# Altium PCB IPG.PcbDoc (part 1 of 10) (continued)
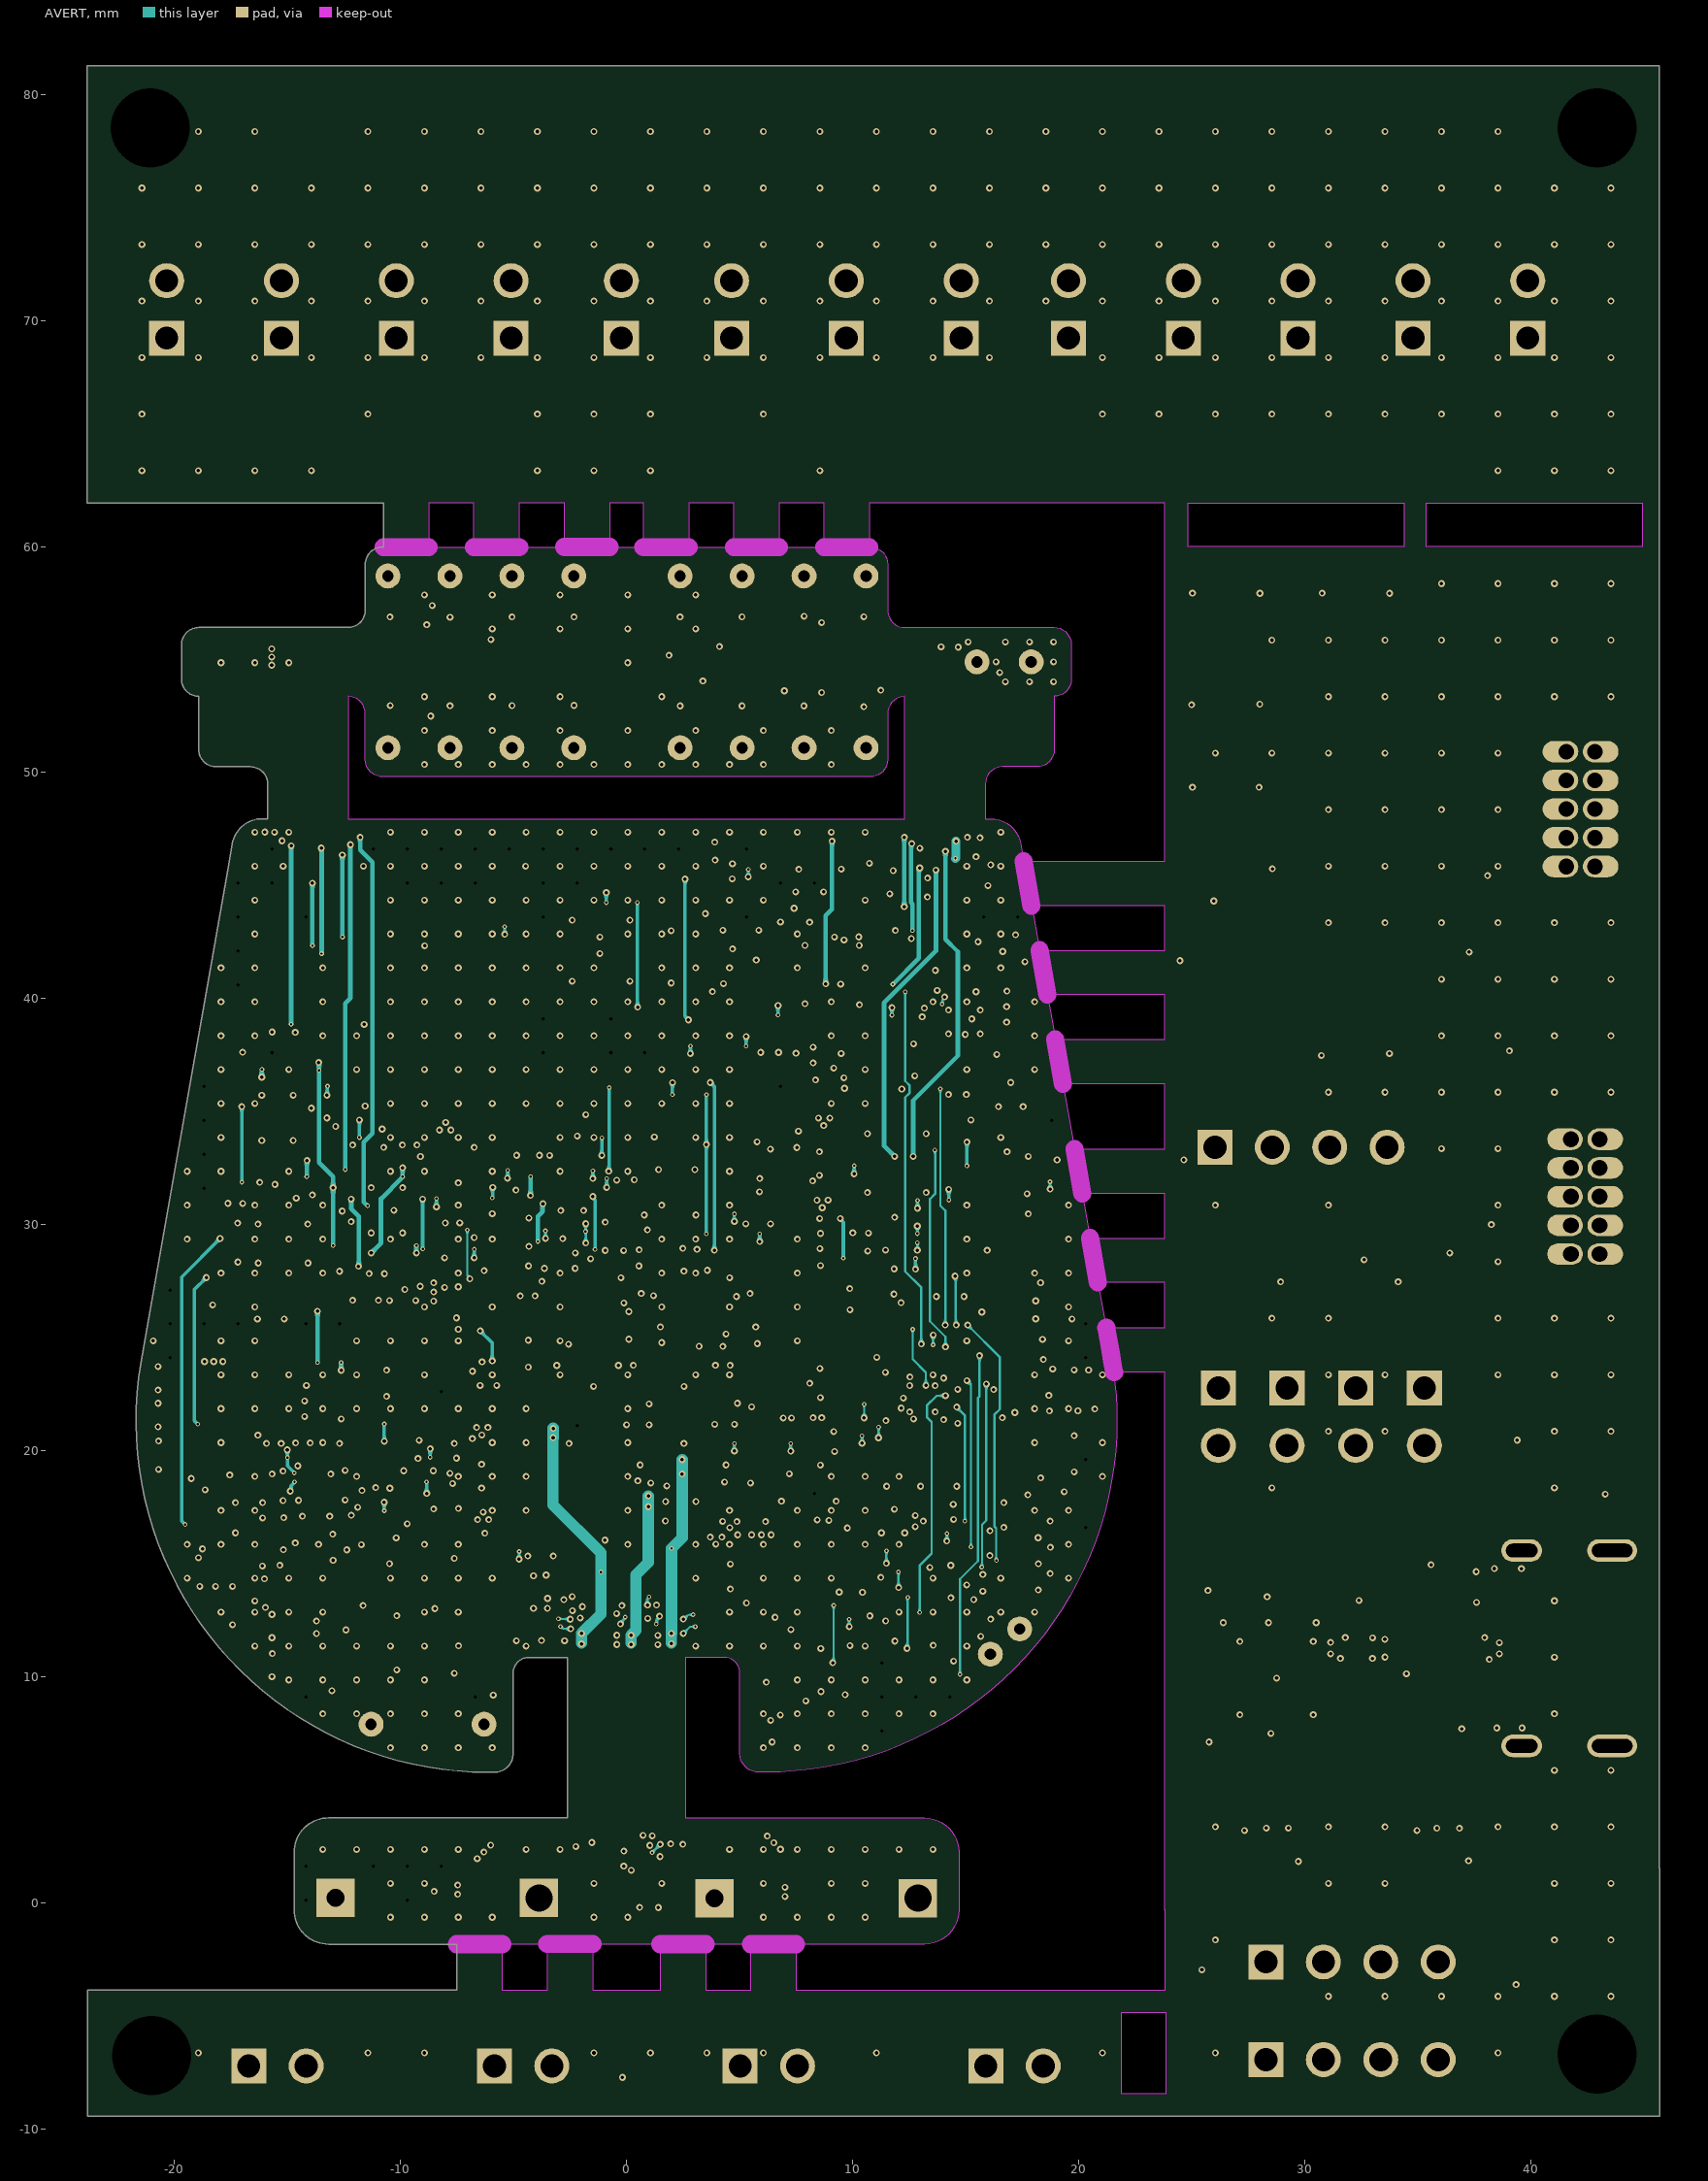
[diagram p8: AVERT]
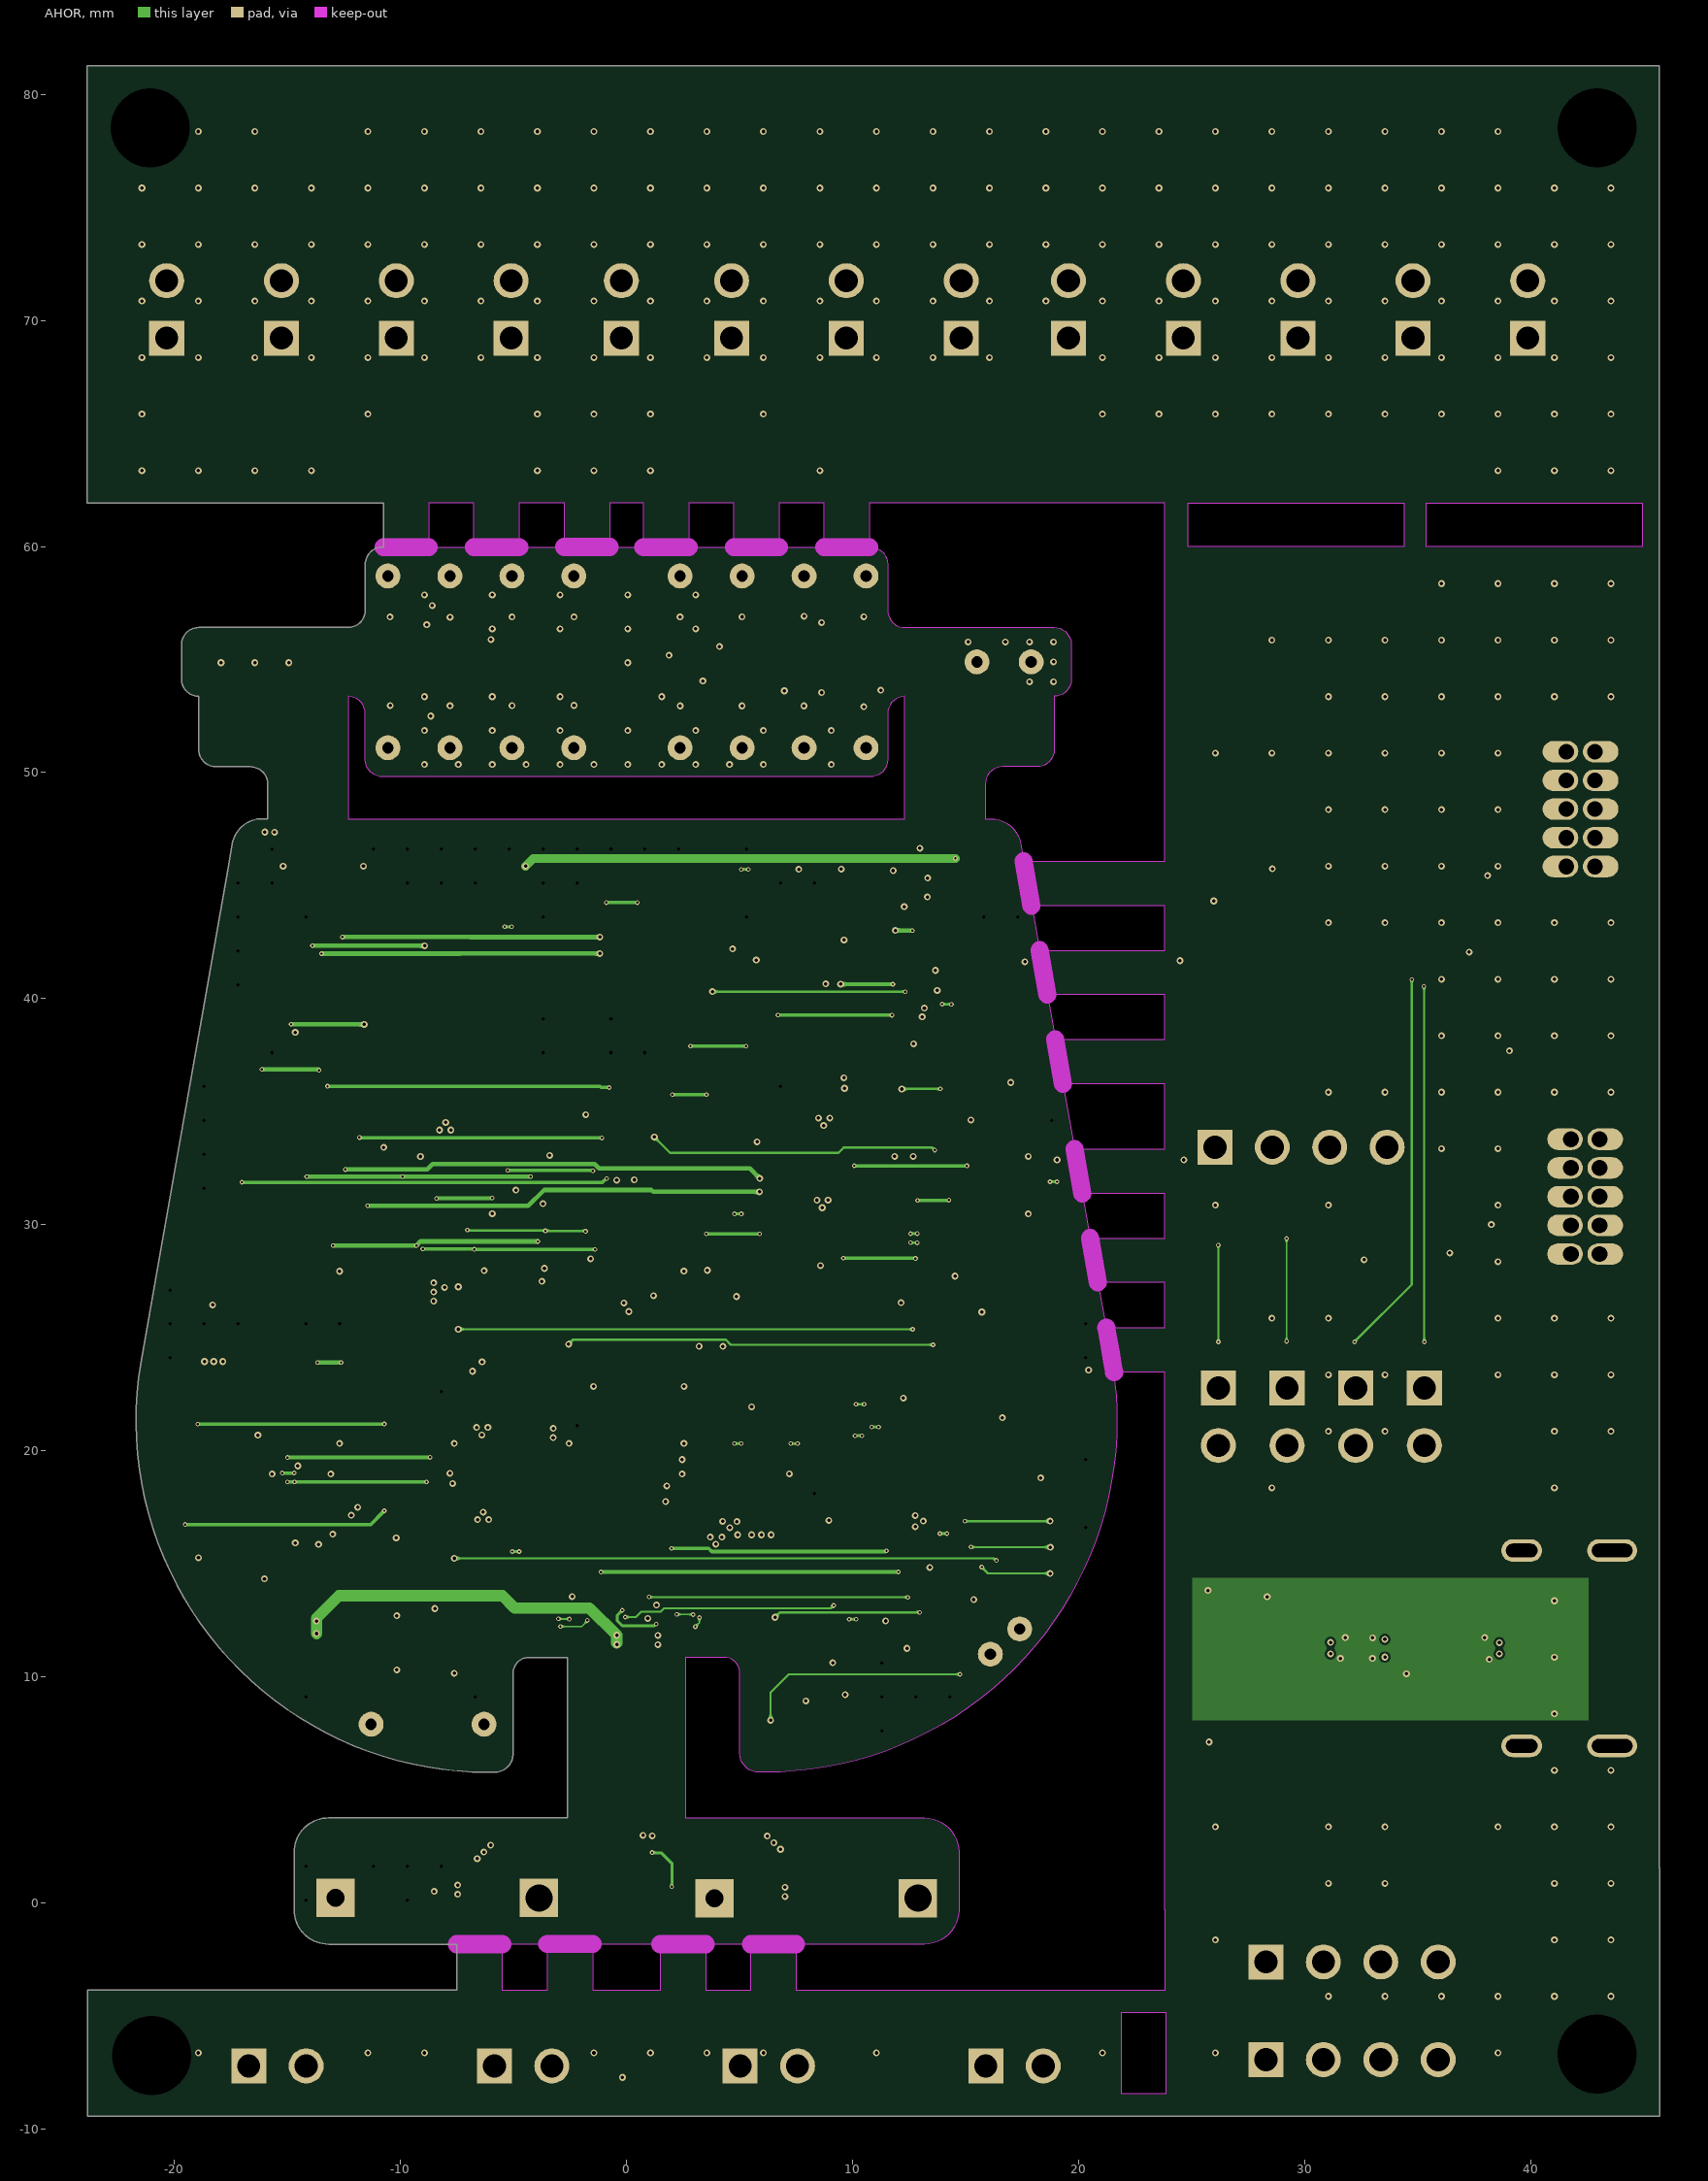
[diagram p9: AHOR]
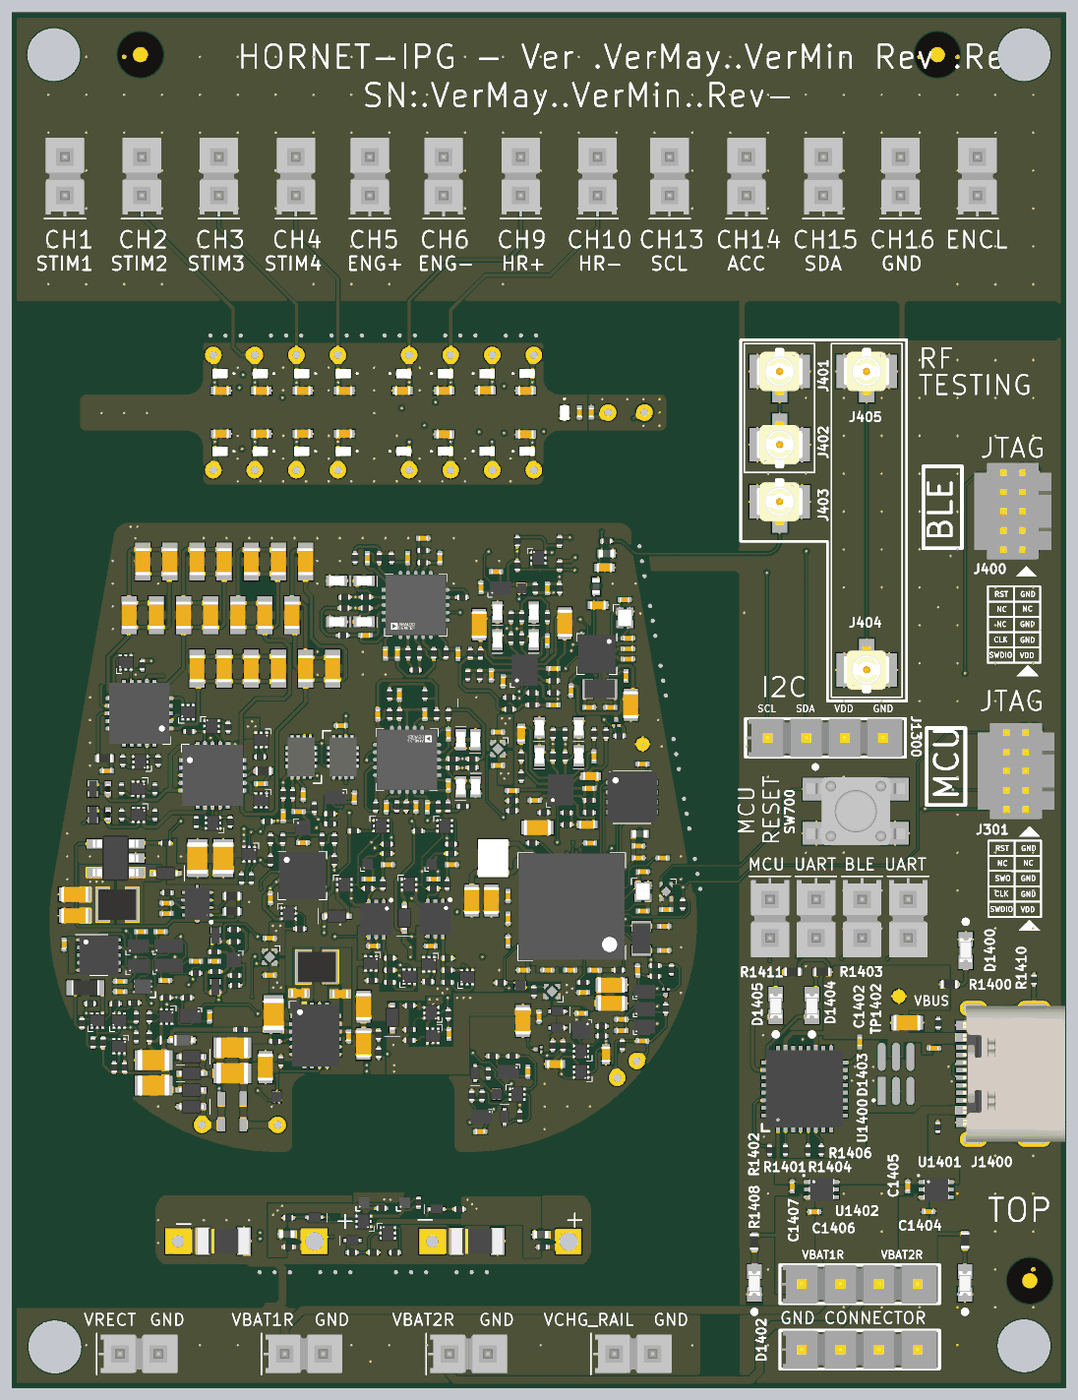
[diagram p19: 3D render of the assembled board from above, using the file's embedded part models]

## Layer stack, top to bottom
Top Solder: solder mask 0.0381, LF-7013, Dk 3.5
Top Solder: solder mask 0.0178, SM-004, Dk 4.1
TOP: signal copper 0.0241
Dielectric 1: prepreg 0.0523, TU-768, Dk 3.7
DHOR: signal copper 0.0178
Dielectric 2: prepreg 0.0503, TU-768, Dk 3.7
DVERT: signal copper 0.0279
Dielectric 3: prepreg 0.0523, TU-768, Dk 3.7
GND 1: signal copper 0.0178
Dielectric 4: core 0.0762, Core-009, Dk 3.9
Dielectric 5: prepreg 0.1184, TU-768, Dk 3.7
Dielectric 3: prepreg 0.1016, FR-370HR, Dk 4.04
POWER: signal copper 0.0178
Polyimide Core: core 0.0508, Thinflex-W-2005RD, Dk 3.3
GND 2: signal copper 0.0178
Dielectric 6: prepreg 0.1184, TU-768, Dk 3.7
Dielectric 7: core 0.0762, Core-009, Dk 3.9
GND 3: signal copper 0.0178
Dielectric 8: prepreg 0.0523, TU-768, Dk 3.7
AVERT: signal copper 0.0279
Dielectric 9: prepreg 0.0503, TU-768, Dk 3.7
AHOR: signal copper 0.0178
Dielectric 10: prepreg 0.0523, TU-768, Dk 3.7
BOT: signal copper 0.0241
ThinFlex Bottom Coverlay: solder mask 0.0178, SM-004, Dk 4.1
ThinFlex Bottom Coverlay: solder mask 0.0381, LF-7013, Dk 3.5

## Board outline
23.853,-9.449 45.72,-9.449 45.72,1.524 45.697,1.524 45.697,81.28 -23.876,81.28 -23.867,61.925 -10.747,61.925 -10.747,59.977 -10.795,59.977 ccw(c-10.794,59.214) -11.557,59.214 -11.557,57.183 cw(c-12.318,57.183) -12.319,56.421 -18.923,56.421 ccw(c-18.922,55.658) -19.67,55.809 -19.67,53.986 ccw(c-18.924,54.135) -18.923,53.373 -18.923,51.02 ccw(c-18.162,51.02) -18.161,50.259 -16.637,50.259 cw(c-16.638,49.496) -15.875,49.497 -15.875,47.957 -16.126,47.957 ccw(c-16.126,46.623) -17.44,46.855 -17.646,45.686 -18.933,38.385 -19.938,32.686 -21.488,23.891 -21.488,23.89 ccw(c-6.142,21.336) -6.142,5.778 -5.842,5.778 ccw(c-5.842,6.604) -5.016,6.604 -5.016,10.16 cw(c-4.318,10.16) -4.318,10.858 -2.603,10.858 -2.603,3.759 -13.183,3.759 ccw(c-13.183,2.235) -14.707,2.235 -14.707,-0.305 ccw(c-13.183,-0.305) -13.183,-1.829 -7.497,-1.829 -7.497,-3.852 -23.851,-3.852 -23.851,-9.449
cut-out: -6.747,59.977 -6.747,61.925 -8.75,61.925 -8.75,59.977
cut-out: -4.75,59.977 -2.747,59.977 -2.747,61.92 -4.75,61.925
cut-out: -0.75,59.977 0.753,59.977 0.753,61.925 -0.75,61.925
cut-out: 2.747,59.977 4.747,59.977 4.747,61.925 2.747,61.925
cut-out: 6.747,59.977 8.75,59.977 8.75,61.925 6.747,61.925
cut-out: 23.822,42.139 23.822,44.104 17.925,44.104 18.272,42.139
cut-out: 23.822,38.202 23.822,40.17 18.619,40.17 18.933,38.385 18.934,38.382 18.966,38.202
cut-out: 23.822,33.35 23.822,36.224 19.314,36.225 19.821,33.35
cut-out: 23.822,29.408 23.822,31.379 20.168,31.379 20.515,29.408
cut-out: 23.822,25.458 23.822,27.442 20.861,27.442 21.21,25.458
cut-out: 3.497,-3.852 5.5,-3.852 5.5,-1.829 3.497,-1.829
cut-out: -1.5,-3.852 1.5,-3.852 1.5,-1.829 -1.5,-1.829
cut-out: -5.5,-3.852 -3.497,-3.852 -3.497,-1.829 -5.5,-1.829
cut-out: 23.822,46.071 23.822,61.925 10.747,61.925 10.747,59.977 10.795,59.977 cw(c10.794,59.214) 11.557,59.215 11.557,57.183 ccw(c12.318,57.183) 12.319,56.421 18.923,56.421 cw(c18.922,55.658) 19.67,55.809 19.67,53.986 cw(c18.924,54.135) 18.923,53.373 18.923,51.021 18.923,51.02 cw(c18.162,51.02) 18.161,50.259 16.637,50.259 ccw(c16.638,49.496) 15.875,49.496 15.875,47.957 16.126,47.957 cw(c16.126,46.623) 17.44,46.855 17.578,46.071
cut-out: 23.848,-3.852 23.848,-0.316 23.822,-0.316 23.822,23.484 21.551,23.484 cw(c6.142,21.336) 21.7,21.336 cw(c6.142,21.336) 6.142,5.778 5.842,5.778 cw(c5.842,6.604) 5.016,6.604 5.016,10.16 ccw(c4.318,10.16) 4.318,10.858 2.604,10.858 2.604,3.759 13.182,3.759 cw(c13.182,2.235) 14.706,2.235 14.706,-0.305 cw(c13.182,-0.305) 13.182,-1.829 7.497,-1.829 7.497,-3.852
cut-out: -12.319,47.957 12.319,47.957 12.319,53.373 ccw(c12.32,52.61) 11.557,52.611 11.557,50.579 cw(c10.796,50.579) 10.795,49.817 -10.795,49.817 cw(c-10.796,50.579) -11.557,50.579 -11.557,52.611 ccw(c-12.32,52.61) -12.319,53.373
cut-out: 21.915,-8.452 21.915,-4.852 23.853,-4.852 23.853,-8.452
cut-out: 44.948,59.987 35.398,59.987 35.398,61.925 44.948,61.925
cut-out: 34.398,59.987 24.848,59.987 24.848,61.925 34.398,61.925
board region "Layer Stack Region 9": -23.867,61.925 -10.747,61.925 -10.747,59.977 -8.75,59.977 -8.75,61.925 -6.747,61.925 -6.747,59.977 -4.75,59.977 -4.75,61.925 -2.747,61.92 -2.747,59.974 -0.75,59.975 -0.75,61.925 0.753,61.925 0.753,59.977 2.747,59.975 2.747,61.925 4.747,61.925 4.747,59.974 6.747,59.974 6.747,61.925 8.75,61.925 8.75,59.977 10.747,59.977 10.747,61.925 23.822,61.925 23.822,55.809 23.822,53.986 23.822,46.071 17.538,46.071 17.886,44.104 23.822,44.104 23.822,42.139 18.234,42.139 18.582,40.17 23.822,40.17 23.822,38.202 18.93,38.202 19.28,36.225 23.822,36.225 23.822,33.35 19.789,33.35 20.137,31.379 23.822,31.379 23.822,29.408 20.486,29.408 20.834,27.442 23.822,27.442 23.822,25.458 21.133,25.458 21.483,23.484 23.822,23.484 23.822,-0.316 45.697,-0.316 45.697,81.28 -23.876,81.28
board region "Layer Stack Region 3": -21.7,21.336 -21.7,20.725 -21.604,19.506 -21.412,18.298 -21.127,17.11 -20.749,15.947 -20.281,14.818 -19.726,13.728 -19.088,12.686 -18.369,11.697 -17.575,10.767 -16.711,9.903 -15.781,9.109 -14.792,8.39 -13.749,7.751 -12.66,7.196 -11.531,6.728 -10.368,6.351 -9.179,6.065 -7.972,5.874 -6.753,5.778 -6.142,5.778 -5.842,5.778 -5.761,5.778 -5.601,5.81 -5.451,5.872 -5.316,5.962 -5.2,6.078 -5.11,6.213 -5.048,6.363 -5.016,6.523 -5.016,6.604 -5.016,10.16 -5.013,10.228 -4.986,10.363 -4.934,10.489 -4.858,10.603 -4.761,10.7 -4.647,10.776 -4.521,10.828 -4.386,10.855 -4.318,10.858 4.318,10.858 4.386,10.855 4.521,10.828 4.647,10.776 4.761,10.7 4.858,10.603 4.934,10.489 4.986,10.363 5.013,10.228 5.016,10.16 5.016,6.604 5.016,6.523 5.048,6.363 5.11,6.213 5.201,6.078 5.316,5.962 5.451,5.872 5.601,5.81 5.761,5.778 5.842,5.778 6.142,5.778 6.753,5.778 7.972,5.874 9.179,6.065 10.368,6.351 11.531,6.728 12.66,7.196 13.749,7.751 14.792,8.39 15.781,9.109 16.711,9.903 17.575,10.767 18.369,11.697 19.088,12.686 19.726,13.728 20.281,14.818 20.749,15.947 21.127,17.11 21.412,18.298 21.604,19.506 21.7,20.725 21.7,21.336 21.7,21.605 21.681,22.144 21.644,22.681 21.588,23.217 21.551,23.484 21.483,23.484 21.133,25.458 21.21,25.458 20.861,27.442 20.834,27.442 20.486,29.408 20.515,29.408 20.168,31.379 20.137,31.379 19.789,33.35 19.821,33.35 19.314,36.225 19.28,36.225 18.93,38.202 18.966,38.202 18.934,38.382 18.933,38.385 18.619,40.17 18.582,40.17 18.234,42.139 18.272,42.139 17.925,44.104 17.886,44.104 17.538,46.071 17.578,46.071 17.44,46.855 17.42,46.97 17.34,47.189 17.223,47.391 17.073,47.57 16.894,47.72 16.692,47.837 16.473,47.917 16.243,47.957 16.126,47.957 -16.126,47.957 -16.243,47.957 -16.473,47.917 -16.692,47.837 -16.894,47.72 -17.073,47.57 -17.223,47.391 -17.34,47.189 -17.42,46.97 -17.44,46.855 -17.646,45.686 -18.933,38.385 -19.938,32.686 -21.488,23.891 -21.488,23.89 -21.541,23.574 -21.62,22.937 -21.673,22.298 -21.7,21.657
board region "Layer Stack Region 2": 18.924,53.373 19.056,53.373 19.304,53.462 19.509,53.63 19.645,53.856 19.67,53.986 19.67,55.809 19.644,55.938 19.508,56.164 19.304,56.332 19.055,56.421 18.923,56.421 12.319,56.421 12.244,56.425 12.098,56.454 11.96,56.511 11.836,56.594 11.73,56.699 11.647,56.824 11.59,56.962 11.561,57.108 11.557,57.183 11.557,59.215 11.557,59.29 11.527,59.437 11.47,59.576 11.387,59.701 11.28,59.807 11.156,59.89 11.017,59.948 10.87,59.977 10.795,59.977 10.747,59.977 8.75,59.977 6.747,59.977 6.747,59.974 4.747,59.974 4.747,59.977 2.747,59.977 2.747,59.975 0.753,59.977 -0.75,59.977 -0.75,59.975 -2.747,59.974 -2.747,59.977 -4.75,59.977 -6.747,59.977 -8.75,59.977 -10.747,59.977 -10.795,59.977 -10.87,59.977 -11.017,59.948 -11.156,59.89 -11.281,59.807 -11.387,59.7 -11.47,59.575 -11.528,59.437 -11.557,59.289 -11.557,59.214 -11.557,57.183 -11.561,57.109 -11.59,56.962 -11.647,56.824 -11.73,56.7 -11.835,56.594 -11.96,56.511 -12.098,56.454 -12.244,56.425 -12.319,56.421 -18.923,56.421 -19.055,56.421 -19.304,56.332 -19.508,56.164 -19.644,55.938 -19.67,55.809 -19.67,53.986 -19.645,53.856 -19.509,53.63 -19.304,53.462 -19.055,53.373 -18.923,53.373 -12.319,53.373 -12.244,53.37 -12.098,53.34 -11.96,53.283 -11.836,53.2 -11.73,53.094 -11.647,52.97 -11.59,52.832 -11.561,52.686 -11.557,52.611 -11.557,50.579 -11.557,50.504 -11.528,50.356 -11.47,50.218 -11.387,50.093 -11.281,49.987 -11.156,49.904 -11.017,49.846 -10.87,49.817 -10.795,49.817 10.795,49.817 10.87,49.817 11.017,49.846 11.156,49.904 11.281,49.987 11.387,50.093 11.47,50.218 11.528,50.357 11.557,50.504 11.557,50.579 11.557,52.611 11.561,52.686 11.59,52.832 11.647,52.97 11.73,53.094 11.836,53.2 11.96,53.283 12.098,53.34 12.244,53.37 12.319,53.373 18.923,53.373 18.924,53.373
board region "Layer Stack Region 1": -23.851,-9.449 23.853,-9.449 23.853,-3.852 7.497,-3.852 7.497,-1.829 5.5,-1.829 5.5,-3.852 3.497,-3.852 3.497,-1.829 1.5,-1.829 1.5,-3.852 -1.5,-3.852 -1.5,-1.829 -3.497,-1.829 -3.497,-3.852 -5.5,-3.852 -5.5,-1.829 -7.497,-1.829 -7.497,-3.852 -23.851,-3.852
board region "Layer Stack Region 8": 23.853,-9.449 45.72,-9.449 45.72,1.524 45.697,1.524 45.697,-0.316 23.848,-0.316 23.848,-3.852 23.853,-3.852
board region "Layer Stack Region 6": -14.707,-0.305 -14.707,-0.455 -14.648,-0.749 -14.533,-1.027 -14.366,-1.276 -14.154,-1.489 -13.904,-1.655 -13.627,-1.77 -13.333,-1.829 -13.183,-1.829 -3.497,-1.829 -1.5,-1.829 1.5,-1.829 3.497,-1.829 5.5,-1.829 7.497,-1.829 13.182,-1.829 13.332,-1.829 13.627,-1.77 13.904,-1.655 14.154,-1.489 14.366,-1.276 14.533,-1.027 14.648,-0.749 14.706,-0.455 14.706,-0.305 14.706,2.235 14.706,2.385 14.648,2.68 14.533,2.957 14.366,3.207 14.154,3.419 13.904,3.586 13.627,3.701 13.332,3.759 13.182,3.759 -13.183,3.759 -13.333,3.759 -13.627,3.701 -13.904,3.586 -14.154,3.419 -14.366,3.207 -14.533,2.957 -14.648,2.68 -14.707,2.385 -14.707,2.235
board region "Layer Stack Region 7": -2.603,3.759 2.604,3.759 2.604,10.858 -2.603,10.858
board region "Layer Stack Region 4": -18.162,50.259 -18.161,50.259 -16.637,50.259 -16.562,50.255 -16.416,50.226 -16.278,50.169 -16.154,50.086 -16.048,49.98 -15.965,49.856 -15.908,49.718 -15.879,49.571 -15.875,49.497 -15.875,47.957 -12.319,47.957 -12.319,53.373 -18.923,53.373 -18.923,51.02 -18.923,50.945 -18.894,50.798 -18.836,50.66 -18.753,50.535 -18.647,50.429 -18.522,50.345 -18.384,50.288 -18.237,50.259
board region "Layer Stack Region 5": 18.923,51.02 18.923,51.021 18.923,53.373 12.319,53.373 12.319,47.957 15.875,47.957 15.875,49.496 15.879,49.571 15.908,49.717 15.965,49.855 16.048,49.979 16.154,50.085 16.278,50.168 16.416,50.226 16.562,50.255 16.637,50.259 18.161,50.259 18.236,50.259 18.383,50.288 18.522,50.345 18.647,50.429 18.753,50.535 18.836,50.659 18.894,50.798 18.923,50.945

## Design rules (kind name [scope] priority, off if disabled: settings)
AcuteAngle [All] p1: minimum=6.00000000000000E+0001 checktracksonly=TRUE
AssemblyTestPointUsage [All] p1 off:
AssemblyTestpoint [All] p1 off: testpointundercomponent=TRUE minsize=1.016 maxsize=2.54 preferedsize=1.524 minholesize=0 maxholesize=1.016 preferedholesize=0.813 testpointgrid=0.025 usegrid=TRUE gridtolerance=0 allowsidetop=TRUE allowsidebottom=TRUE
BoardOutlineClearance BoardOutlineClearance_PWR [OnLayer('POWER') AND IsPolygon] p1: gap=0.06 ignorepadtopadclearanceinfootprint=FALSE except(0.325: Poly-OutlineEdge Poly-CavityEdge Poly-CutoutEdge Poly-SplitContinuation)
BoardOutlineClearance [Not(OnLayer('Top Overlay')OR OnLayer('Bottom Overlay') or (IsPad and not InAnyNet))] p2: gap=0.06 ignorepadtopadclearanceinfootprint=FALSE except(0: Arc-SplitContinuation Track-SplitContinuation SMDPad-SplitContinuation THPad-SplitContinuation Via-SplitContinuation Fill-SplitContinuation Poly-SplitContinuation Region-SplitContinuation Text-SplitContinuation; 0.325: Poly-OutlineEdge Poly-CavityEdge Poly-CutoutEdge) // GSS_Standard
Clearance Clearance_drill [IsThruVia or IsBlindVia] p1: gap=0.094 ignorepadtopadclearanceinfootprint=TRUE
Clearance Clearance_ANT [InNetClass('50_OHM')] p2: gap=0.127 ignorepadtopadclearanceinfootprint=TRUE
Clearance Clearance_GSS_STD_3mil_underBGA [WithinRoom('BGA1','BGA2','BGA3','BGA4','BGA5','BGA6')] p3: gap=0.076 ignorepadtopadclearanceinfootprint=TRUE
Clearance Clearance_GSS_STD_3mil_NOTunderBGA [not WithinRoom('BGA1','BGA2','BGA3','BGA4','BGA5','BGA6')] p4: gap=0.076 ignorepadtopadclearanceinfootprint=TRUE // 18u (1/2oz) Cu
ComponentClearance [All] p1: gap=0.2 collisioncheckmode=3 verticalgap=0.254 showdistances=FALSE
DiffPairsRouting DiffPairsRouting_USB [InDifferentialPair('USB')] p1: maxlimit=0.208 minlimit=0.102 mostfreqgap=0.127 toplayer_prefgap=0.208 toplayer_minwidth=0.11 toplayer_maxwidth=0.381 toplayer_prefwidth=0.11 bottomlayer_mingap=0.208 bottomlayer_prefgap=0.208 bottomlayer_minwidth=0.097 bottomlayer_maxwidth=0.097 bottomlayer_prefwidth=0.097 substack1={3E7DB748-9F02-419D-9B08-30533E7470E3} toplayer_{3e7db748-9f02-419d-9b08-30533e7470e3}_mingap=0.254 toplayer_{3e7db748-9f02-419d-9b08-30533e7470e3}_maxgap=0.254 toplayer_{3e7db748-9f02-419d-9b08-30533e7470e3}_prefgap=0.254 toplayer_{3e7db748-9f02-419d-9b08-30533e7470e3}_minwidth=0.381 toplayer_{3e7db748-9f02-419d-9b08-30533e7470e3}_maxwidth=0.381 toplayer_{3e7db748-9f02-419d-9b08-30533e7470e3}_prefwidth=0.381 midlayer1_{3e7db748-9f02-419d-9b08-30533e7470e3}_mingap=0.254 midlayer1_{3e7db748-9f02-419d-9b08-30533e7470e3}_maxgap=0.254 midlayer1_{3e7db748-9f02-419d-9b08-30533e7470e3}_prefgap=0.254 midlayer1_{3e7db748-9f02-419d-9b08-30533e7470e3}_minwidth=0.381 midlayer1_{3e7db748-9f02-419d-9b08-30533e7470e3}_maxwidth=0.381 midlayer1_{3e7db748-9f02-419d-9b08-30533e7470e3}_prefwidth=0.381 midlayer2_{3e7db748-9f02-419d-9b08-30533e7470e3}_mingap=0.254 midlayer2_{3e7db748-9f02-419d-9b08-30533e7470e3}_maxgap=0.254 midlayer2_{3e7db748-9f02-419d-9b08-30533e7470e3}_prefgap=0.254 midlayer2_{3e7db748-9f02-419d-9b08-30533e7470e3}_minwidth=0.381 midlayer2_{3e7db748-9f02-419d-9b08-30533e7470e3}_maxwidth=0.381 midlayer2_{3e7db748-9f02-419d-9b08-30533e7470e3}_prefwidth=0.381 midlayer3_{3e7db748-9f02-419d-9b08-30533e7470e3}_mingap=0.254 midlayer3_{3e7db748-9f02-419d-9b08-30533e7470e3}_maxgap=0.254 midlayer3_{3e7db748-9f02-419d-9b08-30533e7470e3}_prefgap=0.254 midlayer3_{3e7db748-9f02-419d-9b08-30533e7470e3}_minwidth=0.381 midlayer3_{3e7db748-9f02-419d-9b08-30533e7470e3}_maxwidth=0.381 midlayer3_{3e7db748-9f02-419d-9b08-30533e7470e3}_prefwidth=0.381 midlayer6_{3e7db748-9f02-419d-9b08-30533e7470e3}_mingap=0.254 midlayer6_{3e7db748-9f02-419d-9b08-30533e7470e3}_maxgap=0.254 midlayer6_{3e7db748-9f02-419d-9b08-30533e7470e3}_prefgap=0.254 midlayer6_{3e7db748-9f02-419d-9b08-30533e7470e3}_minwidth=0.381 midlayer6_{3e7db748-9f02-419d-9b08-30533e7470e3}_maxwidth=0.381 midlayer6_{3e7db748-9f02-419d-9b08-30533e7470e3}_prefwidth=0.381 midlayer7_{3e7db748-9f02-419d-9b08-30533e7470e3}_maxgap=0.127 midlayer7_{3e7db748-9f02-419d-9b08-30533e7470e3}_minwidth=0.381 midlayer7_{3e7db748-9f02-419d-9b08-30533e7470e3}_maxwidth=0.381 midlayer7_{3e7db748-9f02-419d-9b08-30533e7470e3}_prefwidth=0.381 midlayer8_{3e7db748-9f02-419d-9b08-30533e7470e3}_maxgap=0.127 midlayer8_{3e7db748-9f02-419d-9b08-30533e7470e3}_minwidth=0.381 midlayer8_{3e7db748-9f02-419d-9b08-30533e7470e3}_maxwidth=0.381 midlayer8_{3e7db748-9f02-419d-9b08-30533e7470e3}_prefwidth=0.381 bottomlayer_{3e7db748-9f02-419d-9b08-30533e7470e3}_mingap=0.254 bottomlayer_{3e7db748-9f02-419d-9b08-30533e7470e3}_maxgap=0.254 bottomlayer_{3e7db748-9f02-419d-9b08-30533e7470e3}_prefgap=0.254 bottomlayer_{3e7db748-9f02-419d-9b08-30533e7470e3}_minwidth=0.381 bottomlayer_{3e7db748-9f02-419d-9b08-30533e7470e3}_maxwidth=0.381 bottomlayer_{3e7db748-9f02-419d-9b08-30533e7470e3}_prefwidth=0.381 impedanceprofiledriven=TRUE impedanceprofileid={1821BC03-67A2-4A2A-97A5-594607916CFC} impedanceprofilevalue=90.000000 filterlayerstackid={A074DC63-9603-4F09-AF23-0239F3F14C14} maxuncoupledlength=12.7